# KiCad board meepolab pcb.kicad_pcb (continued)
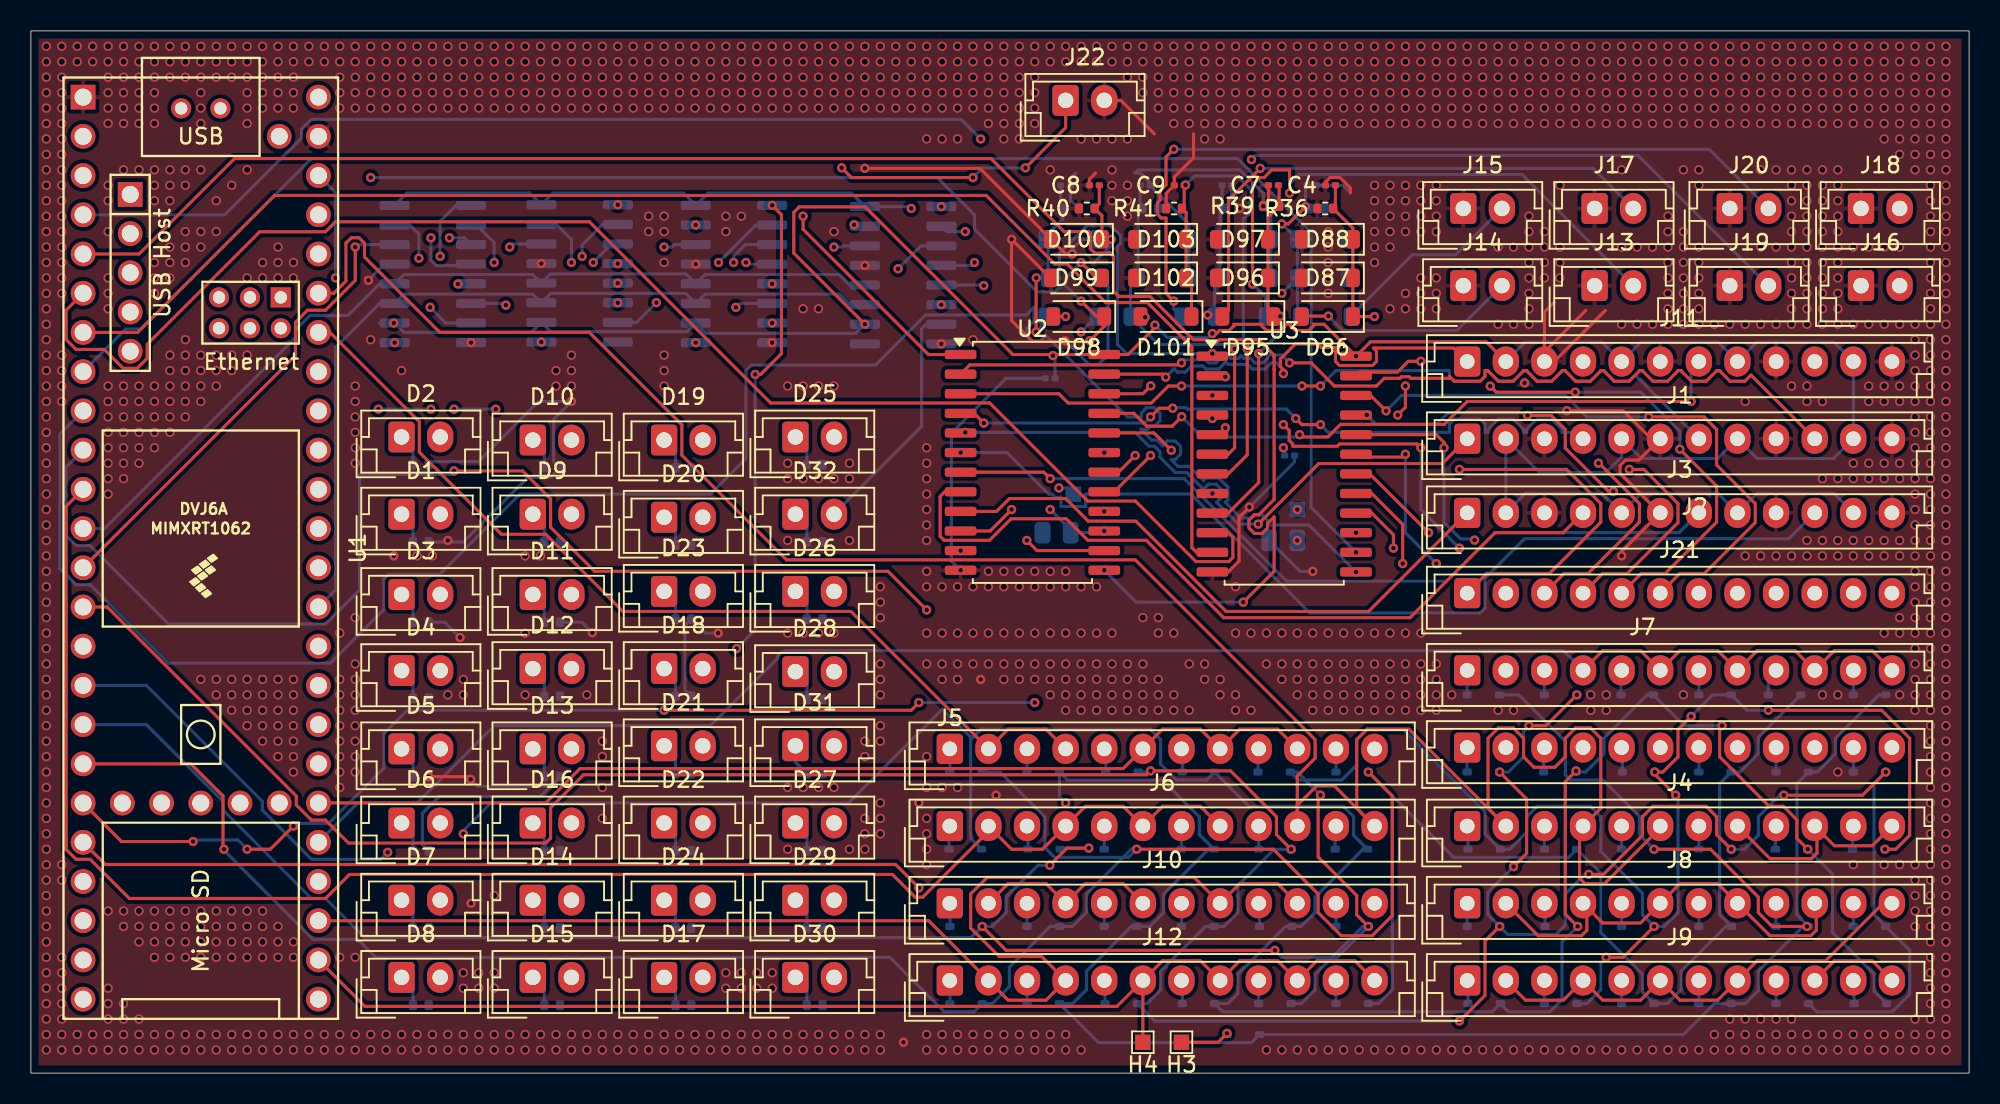
[diagram p0: board, top side]
## Via types
v1: diameter 0.6, hole 0.3, Top to Bottom, 232 vias
v2: diameter 0.6, hole 0.4, Top to Bottom, 1742 vias

## Routing (per net, layer and track width the routed paths; a pad name or vN(x,y) marks a point on that pad's centre or on a via; arc(x,y) is an arc through that point)
+3V3: length 213.5
  Top w0.2: v1(88.5,42.62) 89,43.12 v1(89,44.5) ; J11.2 94.22,47.36 86.73,47.36 v1(85.8,46.43) 83.73,48.5 83.05,48.5 83.05,48.4 82.75,48.1 81.85,48.1 81.55,48.4 81.55,48.5 81.2,48.5 81.2,48.4 80.9,48.1 80,48.1 79.7,48.4 79.7,48.5 77.9,48.5 77.9,48.4 77.6,48.1 76.97,48.1 76.77,47.9 v1(76.5,47.9) ; v1(72.78,48.44) 72.78,48.28 71.04,46.54 U2.24 66.25,46.54 v1(66.18,46.47) 66.11,46.54 63.58,46.54 54.02,56.1 49.75,56.1 49.4,55.75 49.4,53.1 v1(54,48.5)
  In2.Cu w0.2: v1(81.1,40.5) 81.1,40.5 86.38,40.5 v1(88.5,42.62) ; v1(89,44.5) 87.07,46.43 v1(85.8,46.43) ; v1(23.5,48.58) 22.64,48.58 v1(19.72,51.5)
  Bottom w0.2: J3.11 116.72,37.56 111.78,37.56 J3.8 109.22,37.56 104.28,37.56 J3.5 101.72,37.56 96.78,37.56 J3.2 J1.2 97.69,38.9 101.99,38.9 103,39.91 J1.5 104.28,39.81 109.22,39.81 J1.8 111.78,39.81 116.72,39.81 J1.11 J11.11 116.72,47.36 111.78,47.36 J11.8 109.22,47.36 104.28,47.36 J11.5 101.72,47.36 96.78,47.36 J11.2 ; U1.46 19.72,57.03 v1(19.72,51.5) 19.72,51.43 ; 22.58,48.58 v1(23.5,48.58) U4.10 24.15,47.98 32.41,47.98 U5.10 33.65,48.02 42.49,48.02 U6.10 43.72,47.91 53.41,47.91 v1(54,48.5) ; C2.1 81.18,40.42 81.1,40.5 v1(81.1,40.5) ; v1(66.18,46.47) 66.32,46.33 C1.1 ; v1(76.5,47.9) 76.23,47.63 73.59,47.63 v1(72.78,48.44)
GND: length 226
  Top w0.2: J11.3 98,49.29 98.62,49.91 ; J11.3 98,46.72 100.68,49.4 ; J11.3 98.64,46.09 101.95,49.4 ; v1(66.98,47.43) 66.95,47.4 64.84,47.4 63.5,48.74 v1(63.5,54) 66,51.5 D99.2 ; v1(99.45,42.9) 103.1,42.9 104.91,41.09 J1.6 104.12,39.7 103.25,39.7 102.9,39.35 102.9,38.85 105.47,36.28 J3.6 103,33.78 v1(103,33.5) ; 72.74,60.83 70.57,63 J22.2 ; v1(79.8,56.15) 80.13,56.48 C7.2 ; R41.2 73.51,56.98 C9.2 74.03,58.03 75.28,59.28 75.28,60.83 ; 68.93,58.29 68.54,57.9 C8.2 ; 83.82,57.5 83.82,57.7 84.13,58 84.76,58 85.44,57.32 85.44,57.02 ; v1(67.43,53.07) 66.98,53.07 D100.2 61.45,58.6 v1(54,58.6) ; U3.12 77.52,32.46 78.23,33.16 78.23,35.99 v1(78.9,36.66) ; v1(28.48,19.02) 28.3,19.2 v1(25.76,19.2)
  In2.Cu w0.2: v1(79.8,56.15) 78.41,56.15 v1(78.26,56) ; 109.57,43.05 109.42,42.9 107.31,42.9 J1.6 J11.6 ; J11.3 98,45.98 v1(96.72,44.7)
  Bottom w0.2: R13.2 35.68,29.2 v1(36.35,28.52) ; v1(60.2,32.57) 59.6,33.17 59.6,41.45 63.15,45 C1.2 ; R4.2 25.96,39.6 28.96,39.6 32.86,43.5 v1(35,43.5) 33.85,42.35 33.85,39.61 R12.2 33.64,38.58 32.18,38.58 28,34.4 R3.2 ; v1(44.5,28.5) 43.66,28.5 R25.2 42.35,28.99 42.35,24.81 R20.2 ; v1(67.43,53.07) 67.43,53.37 68.07,54 D94.2 ; 67.66,58.29 67.31,57.94 C6.2 67.31,56.52 R38.2 ; v1(78.9,36.66) 81.82,39.59 C2.2 ; 85.44,57.02 84.96,57.5 C5.2 ; D93.2 69.75,50.9 69.75,46.52 69.1,45.87 68.53,45.87 v1(66.98,47.43) ; C10.2 72.47,57.66 71.84,58.29 71.47,58.29 71.68,58.5 78.28,58.5 79.8,56.98 v1(79.8,56.15) 80.3,55.65 D85.2 D84.2 ; C10.2 72.99,56.98 R42.2 ; C10.2 75,54.97 D106.2 D105.2 ; R2.1 82.18,32.5 v1(83,32.5) ; v1(21.85,51.35) 22.89,52.39 U4.13 ; v1(27.79,28.21) 26.8,29.2 R5.2 ; v1(78.26,56) 77.76,56.5 C3.2 77.76,56.52 R35.2 ; v1(28.48,19.02) 28.92,18.58 33.64,18.58 R15.2 32.96,17.9 26.42,17.9 25.35,16.83 25.35,14.81 R8.2
  vias: v1(23.5,33.5) v1(27,34.5) v1(28.5,47.31) v1(28.5,11) v1(33.05,52.43) v1(43.05,52.39) v1(48,47.31) v1(54,52.31) v1(56.5,2) v1(57.5,17.5) v1(58.95,47.23) v1(61.5,25.5) v1(62.5,18) v2(1,66.5) v2(1,65.5) v2(1,64.5) v2(1,63.5) v2(1,62.5) v2(1,61.5) v2(1,60.5) v2(1,59.5) v2(1,58.5) v2(1,57.5) v2(1,56.5) v2(1,55.5) v2(1,54.5) v2(1,53.5) v2(1,52.5) v2(1,51.5) v2(1,50.5) v2(1,49.5) v2(1,48.5) v2(1,47.5) v2(1,46.5) v2(1,45.5) v2(1,44.5) v2(1,43.5) v2(1,42.5) v2(1,41.5) v2(1,40.5) v2(1,39.5) v2(1,38.5) v2(1,37.5) v2(1,36.5) v2(1,35.5) v2(1,34.5) v2(1,33.5) v2(1,32.5) v2(1,31.5) v2(1,30.5) v2(1,29.5) v2(1,28.5) v2(1,27.5) v2(1,26.5) v2(1,25.5) v2(1,24.5) v2(1,23.5) v2(1,22.5) v2(1,21.5) v2(1,20.5) v2(1,19.5) v2(1,18.5) v2(1,17.5) v2(1,16.5) v2(1,15.5) v2(1,14.5) v2(1,13.5) v2(1,12.5) v2(1,11.5) v2(1,10.5) v2(1,9.5) v2(1,8.5) v2(1,7.5) v2(1,6.5) v2(1,5.5) v2(1,4.5) v2(1,3.5) v2(1,2.5) v2(1,1.5) v2(2,66.5) v2(2,65.5) v2(2,64.5) v2(2,63.5) v2(2,62.5) v2(2,61.5) v2(2,60.5) v2(2,59.5) v2(2,58.5) v2(2,57.5) v2(2,56.5) v2(2,55.5) v2(2,54.5) v2(2,53.5) v2(2,52.5) v2(2,51.5) v2(2,50.5) v2(2,46.5) v2(2,45.5) v2(2,44.5) v2(2,43.5) v2(2,13.5) v2(2,12.5) v2(2,7.5) v2(2,6.5) v2(2,5.5) v2(2,4.5) v2(2,3.5) v2(2,2.5) v2(2,1.5) v2(3,66.5) v2(3,65.5) v2(3,2.5) v2(3,1.5) v2(4,66.5) v2(4,65.5) v2(4,2.5) v2(4,1.5) v2(5,66.5) v2(5,65.5) v2(5,64.5) v2(5,63.5) v2(5,62.5) v2(5,61.5) v2(5,57.5) v2(5,56.5) v2(5,54.5) v2(5,51.5) v2(5,50.5) v2(5,49.5) v2(5,44.5) v2(5,43.5) v2(5,42.5) v2(5,41.5) v2(5,40.5) v2(5,39.5) v2(5,38.5) v2(5,37.5) v2(5,10.5) v2(5,5.5) v2(5,4.5) v2(5,3.5) v2(5,2.5) v2(5,1.5) v2(6,66.5) v2(6,65.5) v2(6,64.5) v2(6,63.5) v2(6,62.5) v2(6,61.5) v2(6,58.5) v2(6,44.5) v2(6,43.5) v2(6,42.5) v2(6,41.5) v2(6,40.5) v2(6,39.5) v2(6,38.5) v2(6,10.5) v2(6,9.5) v2(6,4.5) v2(6,3.5) v2(6,2.5) v2(6,1.5) v2(7,66.5) v2(7,65.5) v2(7,64.5) v2(7,63.5) v2(7,62.5) v2(7,61.5) v2(7,58.5) v2(7,44.5) v2(7,43.5) v2(7,42.5) v2(7,41.5) v2(7,40.5) v2(7,39.5) v2(7,10.5) v2(7,9.5) v2(7,8.5) v2(7,3.5) v2(7,2.5) v2(7,1.5) v2(8,66.5) v2(8,65.5) v2(8,64.5) v2(8,63.5) v2(8,62.5) v2(8,61.5) v2(8,58.5) v2(8,57.5) v2(8,56.5) v2(8,52.5) v2(8,51.5) v2(8,50.5) v2(8,44.5) v2(8,43.5) v2(8,42.5) v2(8,41.5) v2(8,40.5) v2(8,10.5) v2(8,9.5) v2(8,8.5) v2(8,7.5) v2(8,2.5) v2(8,1.5) v2(9,66.5) v2(9,65.5) v2(9,64.5) v2(9,58.5) v2(9,57.5) v2(9,56.5) v2(9,53.5) v2(9,52.5) v2(9,51.5) v2(9,46.5) v2(9,45.5) v2(9,44.5) v2(9,43.5) v2(9,42.5) v2(9,41.5) v2(9,10.5) v2(9,9.5) v2(9,8.5) v2(9,7.5) v2(9,2.5) v2(9,1.5) v2(10,66.5) v2(10,65.5) v2(10,64.5) v2(10,58.5) v2(10,57.5) v2(10,54.5) v2(10,53.5) v2(10,52.5) v2(10,47.5) v2(10,46.5) v2(10,45.5) v2(10,44.5) v2(10,43.5) v2(10,42.5) v2(10,10.5) v2(10,9.5) v2(10,8.5) v2(10,7.5) v2(10,2.5) v2(10,1.5) v2(11,66.5) v2(11,65.5) v2(11,64.5) v2(11,63.5) v2(11,62.5) v2(11,61.5) v2(11,58.5) v2(11,54.5) v2(11,53.5) v2(11,46.5) v2(11,45.5) v2(11,44.5) v2(11,43.5) v2(11,25.5) v2(11,10.5) v2(11,9.5) v2(11,8.5) v2(11,7.5) v2(11,2.5) v2(11,1.5) v2(12,66.5) v2(12,65.5) v2(12,64.5) v2(12,56.5) v2(12,54.5) v2(12,46.5) v2(12,45.5) v2(12,44.5) v2(12,25.5) v2(12,24.5) v2(12,10.5) v2(12,9.5) v2(12,8.5) v2(12,7.5) v2(12,2.5) v2(12,1.5) v2(13,66.5) v2(13,65.5) v2(13,64.5) v2(13,57.5) v2(13,46.5) v2(13,45.5) v2(13,25.5) v2(13,24.5) v2(13,23.5) v2(13,10.5) v2(13,9.5) v2(13,8.5) v2(13,7.5) v2(13,2.5) v2(13,1.5) v2(14,66.5) v2(14,65.5) v2(14,64.5) v2(14,63.5) v2(14,62.5) v2(14,61.5) v2(14,58.5) v2(14,51.5) v2(14,46.5) v2(14,25.5) v2(14,24.5) v2(14,23.5) v2(14,22.5) v2(14,10.5) v2(14,9.5) v2(14,8.5) v2(14,7.5) v2(14,2.5) v2(14,1.5) v2(15,66.5) v2(15,65.5) v2(15,64.5) v2(15,63.5) v2(15,62.5) v2(15,52.5) v2(15,51.5) v2(15,25.5) v2(15,24.5) v2(15,23.5) v2(15,22.5) v2(15,21.5) v2(15,10.5) v2(15,9.5) v2(15,8.5) v2(15,7.5) v2(15,2.5) v2(15,1.5) v2(16,66.5) v2(16,65.5) v2(16,64.5) v2(16,63.5) v2(16,62.5) v2(16,53.5) v2(16,52.5) v2(16,51.5) v2(16,25.5) v2(16,24.5) v2(16,23.5) v2(16,22.5) v2(16,21.5) v2(16,20.5) v2(16,9.5) v2(16,8.5) v2(16,7.5) v2(16,2.5) v2(16,1.5) v2(17,66.5) v2(17,65.5) v2(17,64.5) v2(17,63.5) v2(17,62.5) v2(17,52.5) v2(17,51.5) v2(17,25.5) v2(17,24.5) v2(17,23.5) v2(17,22.5) v2(17,21.5) v2(17,20.5) v2(17,19.5) v2(17,8.5) v2(17,7.5) v2(17,2.5) v2(17,1.5) v2(18,66.5) v2(18,65.5) v2(18,2.5) v2(18,1.5) v2(19,66.5) v2(19,65.5) v2(19,2.5) v2(19,1.5) v2(20,66.5) v2(20,65.5) v2(20,64.5) v2(20,63.5) v2(20,62.5) v2(20,28.5) v2(20,25.5) v2(20,24.5) v2(20,23.5) v2(20,22.5) v2(20,21.5) v2(20,20.5) v2(20,19.5) v2(20,18.5) v2(20,7.5) v2(20,2.5) v2(20,1.5) v2(21,66.5) v2(21,65.5) v2(21,64.5) v2(21,63.5) v2(21,62.5) v2(21,44.5) v2(21,43.5) v2(21,42.5) v2(21,41.5) v2(21,40.5) v2(21,39.5) v2(21,29.5) v2(21,26.5) v2(21,25.5) v2(21,24.5) v2(21,23.5) v2(21,22.5) v2(21,21.5) v2(21,20.5) v2(21,19.5) v2(21,7.5) v2(21,2.5) v2(21,1.5) v2(22,66.5) v2(22,65.5) v2(22,64.5) v2(22,63.5) v2(22,62.5) v2(22,47.5) v2(22,2.5) v2(22,1.5) v2(23,66.5) v2(23,65.5) v2(23,64.5) v2(23,63.5) v2(23,62.5) v2(23,2.5) v2(23,1.5) v2(24,66.5) v2(24,65.5) v2(24,64.5) v2(24,63.5) v2(24,62.5) v2(24,45.5) v2(24,2.5) v2(24,1.5) v2(25,66.5) v2(25,65.5) v2(25,64.5) v2(25,63.5) v2(25,62.5) v2(25,33.5) v2(25,2.5) v2(25,1.5) v2(26,66.5) v2(26,65.5) v2(26,64.5) v2(26,63.5) v2(26,62.5) v2(26,33.5) v2(26,2.5) v2(26,1.5) v2(27,66.5) v2(27,65.5) v2(27,64.5) v2(27,63.5) v2(27,62.5) v2(27,24.5) v2(27,2.5) v2(27,1.5) v2(28,66.5) v2(28,65.5) v2(28,64.5) v2(28,63.5) v2(28,62.5) v2(28,25.5) v2(28,24.5) v2(28,6.5) v2(28,5.5) v2(28,2.5) v2(28,1.5) v2(29,66.5) v2(29,65.5) v2(29,64.5) v2(29,63.5) v2(29,62.5) v2(29,6.5) v2(29,5.5) v2(29,2.5) v2(29,1.5) v2(30,66.5) v2(30,65.5) v2(30,64.5) v2(30,63.5) v2(30,62.5) v2(30,11.5) v2(30,6.5) v2(30,5.5) v2(30,2.5) v2(30,1.5) v2(31,66.5) v2(31,65.5) v2(31,64.5) v2(31,63.5) v2(31,62.5) v2(31,2.5) v2(31,1.5) v2(32,66.5) v2(32,65.5) v2(32,64.5) v2(32,63.5) v2(32,62.5) v2(32,33.5) v2(32,28.5) v2(32,24.5) v2(32,2.5) v2(32,1.5) v2(33,66.5) v2(33,65.5) v2(33,64.5) v2(33,63.5) v2(33,62.5) v2(33,33.5) v2(33,2.5) v2(33,1.5) v2(34,66.5) v2(34,65.5) v2(34,64.5) v2(34,63.5) v2(34,62.5) v2(34,45.5) v2(34,44.5) v2(34,2.5) v2(34,1.5) v2(35,66.5) v2(35,65.5) v2(35,64.5) v2(35,63.5) v2(35,62.5) v2(35,46.5) v2(35,45.5) v2(35,44.5) v2(35,2.5) v2(35,1.5) v2(36,66.5) v2(36,65.5) v2(36,64.5) v2(36,63.5) v2(36,62.5) v2(36,24.5) v2(36,2.5) v2(36,1.5) v2(37,66.5) v2(37,65.5) v2(37,64.5) v2(37,63.5) v2(37,62.5) v2(37,21.5) v2(37,20.5) v2(37,18.5) v2(37,16.5) v2(37,2.5) v2(37,1.5) v2(38,66.5) v2(38,65.5) v2(38,64.5) v2(38,63.5) v2(38,62.5) v2(38,2.5) v2(38,1.5) v2(39,66.5) v2(39,65.5) v2(39,64.5) v2(39,63.5) v2(39,62.5) v2(39,2.5) v2(39,1.5) v2(40,66.5) v2(40,65.5) v2(40,64.5) v2(40,63.5) v2(40,62.5) v2(40,55.5) v2(40,54.5) v2(40,2.5) v2(40,1.5) v2(41,66.5) v2(41,65.5) v2(41,64.5) v2(41,63.5) v2(41,62.5) v2(41,55.5) v2(41,54.5) v2(41,52.5) v2(41,46.5) v2(41,45.5) v2(41,44.5) v2(41,2.5) v2(41,1.5) v2(42,66.5) v2(42,65.5) v2(42,64.5) v2(42,63.5) v2(42,62.5) v2(42,2.5) v2(42,1.5) v2(43,66.5) v2(43,65.5) v2(43,64.5) v2(43,63.5) v2(43,62.5) v2(43,2.5) v2(43,1.5) v2(44,66.5) v2(44,65.5) v2(44,64.5) v2(44,63.5) v2(44,62.5) v2(44,2.5) v2(44,1.5) v2(45,66.5) v2(45,65.5) v2(45,64.5) v2(45,63.5) v2(45,62.5) v2(45,55.5) v2(45,54.5) v2(45,6.5) v2(45,5.5) v2(45,2.5) v2(45,1.5) v2(46,66.5) v2(46,65.5) v2(46,64.5) v2(46,63.5) v2(46,62.5) v2(46,55.5) v2(46,6.5) v2(46,5.5) v2(46,2.5) v2(46,1.5) v2(47,66.5) v2(47,65.5) v2(47,64.5) v2(47,63.5) v2(47,62.5) v2(47,6.5) v2(47,5.5) v2(47,2.5) v2(47,1.5) v2(48,66.5) v2(48,65.5) v2(48,64.5) v2(48,63.5) v2(48,62.5) v2(48,6.5) v2(48,5.5) v2(48,2.5) v2(48,1.5) v2(49,66.5) v2(49,65.5) v2(49,64.5) v2(49,63.5) v2(49,62.5) v2(49,44.5) v2(49,39.5) v2(49,38.5) v2(49,34.5) v2(49,28.5) v2(49,18.5) v2(49,14.5) v2(49,2.5) v2(49,1.5) v2(50,66.5) v2(50,65.5) v2(50,64.5) v2(50,63.5) v2(50,62.5) v2(50,49.5) v2(50,44.5) v2(50,38.5) v2(50,28.5) v2(50,18.5) v2(50,2.5) v2(50,1.5) v2(51,66.5) v2(51,65.5) v2(51,64.5) v2(51,63.5) v2(51,62.5) v2(51,49.5) v2(51,44.5) v2(51,38.5) v2(51,28.5) v2(51,18.5) v2(51,2.5) v2(51,1.5) v2(52,66.5) v2(52,65.5) v2(52,64.5) v2(52,63.5) v2(52,62.5) v2(52,54.5) v2(52,44.5) v2(52,38.5) v2(52,28.5) v2(52,18.5) v2(52,2.5) v2(52,1.5) v2(53,66.5) v2(53,65.5) v2(53,64.5) v2(53,63.5) v2(53,62.5) v2(53,39.5) v2(53,38.5) v2(53,34.5) v2(53,14.5) v2(53,2.5) v2(53,1.5) v2(54,66.5) v2(54,65.5) v2(54,64.5) v2(54,63.5) v2(54,62.5) v2(54,21.5) v2(54,20.5) v2(54,16.5) v2(54,15.5) v2(54,14.5) v2(54,2.5) v2(54,1.5) v2(55,66.5) v2(55,65.5) v2(55,64.5) v2(55,63.5) v2(55,62.5) v2(55,31.5) v2(55,30.5) v2(55,29.5) v2(55,26.5) v2(55,25.5) v2(55,24.5) v2(55,22.5) v2(55,21.5) v2(55,17.5) v2(55,16.5) v2(55,15.5) v2(55,2.5) v2(55,1.5) v2(56,66.5) v2(56,65.5) v2(56,64.5) v2(56,63.5) v2(56,62.5) v2(57,66.5) v2(57,65.5) v2(57,64.5) v2(57,63.5) v2(57,62.5) v2(58,66.5) v2(58,65.5) v2(58,64.5) v2(58,63.5) v2(58,62.5) v2(58,60.5) v2(58,40.5) v2(58,39.5) v2(58,38.5) v2(58,37.5) v2(58,36.5) v2(58,35.5) v2(58,34.5) v2(58,32.5) v2(58,31.5) v2(58,28.5) v2(58,26.5) v2(58,20.5) v2(58,18.5) v2(58,16.5) v2(58,15.5) v2(58,14.5) v2(58,13.5) v2(58,2.5) v2(58,1.5) v2(59,66.5) v2(59,65.5) v2(59,64.5) v2(59,63.5) v2(59,62.5) v2(59,60.5) v2(59,31.5) v2(59,28.5) v2(59,26.5) v2(59,25.5) v2(59,18.5) v2(59,2.5) v2(59,1.5) v2(60,66.5) v2(60,65.5) v2(60,64.5) v2(60,63.5) v2(60,62.5) v2(60,60.5) v2(60,31.5) v2(60,28.5) v2(60,26.5) v2(60,25.5) v2(60,18.5) v2(60,2.5) v2(60,1.5) v2(61,66.5) v2(61,65.5) v2(61,64.5) v2(61,63.5) v2(61,62.5) v2(61,47.5) v2(61,31.5) v2(61,28.5) v2(61,26.5) v2(61,2.5) v2(61,1.5) v2(62,66.5) v2(62,65.5) v2(62,64.5) v2(62,63.5) v2(62,62.5) v2(62,61.5) v2(62,32.5) v2(62,31.5) v2(62,28.5) v2(62,26.5) v2(62,2.5) v2(62,1.5) v2(63,66.5) v2(63,65.5) v2(63,64.5) v2(63,63.5) v2(63,62.5) v2(63,61.5) v2(63,60.5) v2(63,32.5) v2(63,31.5) v2(63,28.5) v2(63,26.5) v2(63,25.5) v2(63,2.5) v2(63,1.5) v2(64,66.5) v2(64,65.5) v2(64,64.5) v2(64,63.5) v2(64,62.5) v2(64,61.5) v2(64,60.5) v2(64,32.5) v2(64,31.5) v2(64,28.5) v2(64,26.5) v2(64,25.5) v2(64,2.5) v2(64,1.5) v2(65,66.5) v2(65,65.5) v2(65,64.5) v2(65,63.5) v2(65,62.5) v2(65,61.5) v2(65,32.5) v2(65,31.5) v2(65,28.5) v2(65,26.5) v2(65,25.5) v2(65,2.5) v2(65,1.5) v2(66,66.5) v2(66,65.5) v2(66,58.5) v2(66,32.5) v2(66,31.5) v2(66,28.5) v2(66,26.5) v2(66,25.5) v2(66,24.5) v2(66,2.5) v2(66,1.5) v2(67,66.5) v2(67,65.5) v2(67,32.5) v2(67,31.5) v2(67,28.5) v2(67,26.5) v2(67,25.5) v2(67,24.5) v2(67,23.5) v2(67,2.5) v2(67,1.5) v2(68,66.5) v2(68,65.5) v2(68,60.5) v2(68,31.5) v2(68,28.5) v2(68,26.5) v2(68,25.5) v2(68,24.5) v2(68,23.5) v2(68,1.5) v2(69,66.5) v2(69,65.5) v2(69,60.5) v2(69,31.5) v2(69,28.5) v2(69,26.5) v2(69,25.5) v2(69,24.5) v2(69,23.5) v2(70,66.5) v2(70,65.5) v2(70,60.5) v2(70,58.5) v2(70,57.5) v2(70,56.5) v2(70,28.5) v2(70,26.5) v2(70,25.5) v2(70,24.5) v2(70,23.5) v2(71,66.5) v2(71,65.5) v2(71,64.5) v2(71,60.5) v2(71,57.5) v2(71,56.5) v2(71,55.5) v2(71,26.5) v2(71,25.5) v2(71,24.5) v2(71,23.5) v2(72,66.5) v2(72,65.5) v2(72,64.5) v2(72,63.5) v2(72,29.5) v2(72,26.5) v2(72,25.5) v2(72,24.5) v2(72,23.5) v2(73,66.5) v2(73,65.5) v2(73,64.5) v2(73,63.5) v2(73,62.5) v2(73,29.5) v2(73,28.5) v2(73,25.5) v2(73,24.5) v2(73,23.5) v2(74,66.5) v2(74,65.5) v2(74,64.5) v2(74,63.5) v2(74,62.5) v2(74,61.5) v2(74,28.5) v2(74,24.5) v2(74,23.5) v2(75,66.5) v2(75,65.5) v2(75,64.5) v2(75,63.5) v2(75,62.5) v2(75,61.5) v2(75,26.5) v2(75,23.5) v2(76,66.5) v2(76,65.5) v2(76,64.5) v2(76,63.5) v2(76,62.5) v2(76,61.5) v2(76,60.5) v2(76,26.5) v2(76,25.5) v2(77,66.5) v2(77,65.5) v2(77,64.5) v2(77,63.5) v2(77,62.5) v2(77,61.5) v2(77,60.5) v2(77,25.5) v2(77,24.5) v2(78,66.5) v2(78,65.5) v2(78,64.5) v2(78,63.5) v2(78,62.5) v2(78,61.5) v2(78,31.5) v2(78,28.5) v2(78,24.5) v2(78,23.5) v2(79,66.5) v2(79,65.5) v2(79,64.5) v2(79,63.5) v2(79,62.5) v2(79,61.5) v2(79,28.5) v2(79,23.5) v2(80,66.5) v2(80,65.5) v2(80,64.5) v2(80,63.5) v2(80,62.5) v2(80,61.5) v2(80,28.5) v2(80,26.5) v2(80,1.5) v2(81,66.5) v2(81,65.5) v2(81,64.5) v2(81,63.5) v2(81,62.5) v2(81,61.5) v2(81,28.5) v2(81,26.5) v2(81,25.5) v2(81,1.5) v2(82,66.5) v2(82,65.5) v2(82,64.5) v2(82,63.5) v2(82,62.5) v2(82,61.5) v2(82,28.5) v2(82,26.5) v2(82,25.5) v2(82,24.5) v2(82,1.5) v2(83,66.5) v2(83,65.5) v2(83,64.5) v2(83,63.5) v2(83,62.5) v2(83,61.5) v2(83,28.5) v2(83,26.5) v2(83,25.5) v2(83,24.5) v2(83,23.5) v2(83,1.5) v2(84,66.5) v2(84,65.5) v2(84,64.5) v2(84,63.5) v2(84,62.5) v2(84,61.5) v2(84,54.5) v2(84,53.5) v2(84,52.5) v2(84,51.5) v2(84,50.5) v2(84,28.5) v2(84,26.5) v2(84,25.5) v2(84,24.5) v2(84,23.5) v2(84,1.5) v2(85,66.5) v2(85,65.5) v2(85,64.5) v2(85,63.5) v2(85,62.5) v2(85,61.5) v2(85,28.5) v2(85,26.5) v2(85,25.5) v2(85,24.5) v2(85,23.5) v2(85,1.5) v2(86,66.5) v2(86,65.5) v2(86,64.5) v2(86,63.5) v2(86,62.5) v2(86,61.5) v2(86,28.5) v2(86,26.5) v2(86,25.5) v2(86,24.5) v2(86,23.5) v2(86,1.5) v2(87,66.5) v2(87,65.5) v2(87,64.5) v2(87,63.5) v2(87,62.5) v2(87,61.5) v2(87,57.5) v2(87,56.5) v2(87,55.5) v2(87,54.5) v2(87,53.5) v2(87,52.5) v2(87,28.5) v2(87,26.5) v2(87,25.5) v2(87,24.5) v2(87,23.5) v2(87,1.5) v2(88,66.5) v2(88,65.5) v2(88,64.5) v2(88,63.5) v2(88,62.5) v2(88,61.5) v2(88,57.5) v2(88,56.5) v2(88,55.5) v2(88,54.5) v2(88,53.5) v2(88,49.5) v2(88,28.5) v2(88,26.5) v2(88,25.5) v2(88,24.5) v2(88,23.5) v2(88,1.5) v2(89,66.5) v2(89,65.5) v2(89,64.5) v2(89,63.5) v2(89,62.5) v2(89,61.5) v2(89,57.5) v2(89,56.5) v2(89,55.5) v2(89,54.5) v2(89,50.5) v2(89,49.5) v2(89,28.5) v2(89,26.5) v2(89,25.5) v2(89,24.5) v2(89,23.5) v2(89,1.5) v2(90,66.5) v2(90,65.5) v2(90,64.5) v2(90,63.5) v2(90,62.5) v2(90,61.5) v2(90,57.5) v2(90,56.5) v2(90,55.5) v2(90,54.5) v2(90,51.5) v2(90,50.5) v2(90,49.5) v2(90,28.5) v2(90,26.5) v2(90,25.5) v2(90,24.5) v2(90,23.5) v2(90,1.5) v2(91,66.5) v2(91,65.5) v2(91,64.5) v2(91,63.5) v2(91,62.5) v2(91,61.5) v2(91,57.5) v2(91,56.5) v2(91,55.5) v2(91,54.5) v2(91,51.5) v2(91,50.5) v2(91,49.5) v2(91,26.5) v2(91,25.5) v2(91,24.5) v2(91,23.5) v2(91,1.5) v2(92,66.5) v2(92,65.5) v2(92,64.5) v2(92,63.5) v2(92,62.5) v2(92,61.5) v2(92,24.5) v2(92,1.5) v2(93,66.5) v2(93,65.5) v2(93,64.5) v2(93,63.5) v2(93,62.5) v2(93,61.5) v2(93,1.5) v2(94,66.5) v2(94,65.5) v2(94,64.5) v2(94,63.5) v2(94,62.5) v2(94,61.5) v2(94,1.5) v2(95,66.5) v2(95,65.5) v2(95,64.5) v2(95,63.5) v2(95,62.5) v2(95,61.5) v2(95,53.5) v2(95,48.5) v2(95,23.5) v2(95,1.5) v2(96,66.5) v2(96,65.5) v2(96,64.5) v2(96,63.5) v2(96,62.5) v2(96,61.5) v2(96,53.5) v2(96,48.5) v2(96,23.5) v2(96,1.5) v2(97,66.5) v2(97,65.5) v2(97,64.5) v2(97,63.5) v2(97,62.5) v2(97,61.5) v2(97,55.5) v2(97,54.5) v2(97,53.5) v2(97,52.5) v2(97,51.5) v2(97,50.5) v2(97,49.5) v2(97,48.5) v2(97,1.5) v2(98,66.5) v2(98,65.5) v2(98,64.5) v2(98,63.5) v2(98,62.5) v2(98,61.5) v2(98,54.5) v2(98,53.5) v2(98,52.5) v2(98,51.5) v2(98,1.5) v2(99,66.5) v2(99,65.5) v2(99,64.5) v2(99,63.5) v2(99,62.5) v2(99,61.5) v2(99,57.5) v2(99,53.5) v2(99,52.5) v2(99,51.5) v2(99,1.5) v2(100,66.5) v2(100,65.5) v2(100,64.5) v2(100,63.5) v2(100,62.5) v2(100,61.5) v2(100,1.5) v2(101,66.5) v2(101,65.5) v2(101,64.5) v2(101,63.5) v2(101,62.5) v2(101,61.5) v2(101,24.5) v2(101,23.5) v2(101,1.5) v2(102,66.5) v2(102,65.5) v2(102,64.5) v2(102,63.5) v2(102,62.5) v2(102,61.5) v2(102,24.5) v2(102,23.5) v2(102,1.5) v2(103,66.5) v2(103,65.5) v2(103,64.5) v2(103,63.5) v2(103,62.5) v2(103,61.5) v2(103,58.5) v2(103,53.5) v2(103,48.5) v2(103,1.5) v2(104,66.5) v2(104,65.5) v2(104,64.5) v2(104,63.5) v2(104,62.5) v2(104,61.5) v2(104,53.5) v2(104,48.5) v2(104,1.5) v2(105,66.5) v2(105,65.5) v2(105,64.5) v2(105,63.5) v2(105,62.5) v2(105,61.5) v2(105,53.5) v2(105,48.5) v2(105,1.5) v2(106,66.5) v2(106,65.5) v2(106,64.5) v2(106,63.5) v2(106,62.5) v2(106,61.5) v2(106,55.5) v2(106,54.5) v2(106,53.5) v2(106,52.5) v2(106,51.5) v2(106,50.5) v2(106,49.5) v2(106,48.5) v2(106,1.5) v2(107,66.5) v2(107,65.5) v2(107,64.5) v2(107,63.5) v2(107,62.5) v2(107,61.5) v2(107,58.5) v2(107,54.5) v2(107,53.5) v2(107,52.5) v2(107,51.5) v2(107,50.5) v2(107,49.5) v2(107,48.5) v2(107,24.5) v2(107,1.5) v2(108,66.5) v2(108,65.5) v2(108,64.5) v2(108,63.5) v2(108,62.5) v2(108,61.5) v2(108,58.5) v2(108,57.5) v2(108,53.5) v2(108,52.5) v2(108,51.5) v2(108,50.5) v2(108,49.5) v2(108,48.5) v2(108,1.5) v2(109,66.5) v2(109,65.5) v2(109,64.5) v2(109,63.5) v2(109,62.5) v2(109,61.5) v2(109,48.5) v2(109,2.5) v2(109,1.5) v2(110,66.5) v2(110,65.5) v2(110,64.5) v2(110,63.5) v2(110,62.5) v2(110,61.5) v2(110,48.5) v2(110,3.5) v2(110,2.5) v2(110,1.5) v2(111,66.5) v2(111,65.5) v2(111,64.5) v2(111,63.5) v2(111,62.5) v2(111,61.5) v2(111,48.5) v2(111,43.5) v2(111,33.5) v2(111,3.5) v2(111,2.5) v2(111,1.5) v2(112,66.5) v2(112,65.5) v2(112,64.5) v2(112,63.5) v2(112,62.5) v2(112,61.5) v2(112,58.5) v2(112,53.5) v2(112,48.5) v2(112,33.5) v2(112,3.5) v2(112,2.5) v2(112,1.5) v2(113,66.5) v2(113,65.5) v2(113,64.5) v2(113,63.5) v2(113,62.5) v2(113,61.5) v2(113,58.5) v2(113,53.5) v2(113,48.5) v2(113,33.5) v2(113,3.5) v2(113,2.5) v2(113,1.5) v2(114,66.5) v2(114,65.5) v2(114,64.5) v2(114,63.5) v2(114,62.5) v2(114,61.5) v2(114,58.5) v2(114,57.5) v2(114,56.5) v2(114,55.5) v2(114,54.5) v2(114,53.5) v2(114,52.5) v2(114,51.5) v2(114,50.5) v2(114,49.5) v2(114,48.5) v2(114,44.5) v2(114,33.5) v2(114,3.5) v2(114,2.5) v2(114,1.5) v2(115,66.5) v2(115,65.5) v2(115,64.5) v2(115,63.5) v2(115,62.5) v2(115,61.5) v2(115,58.5) v2(115,57.5) v2(115,56.5) v2(115,55.5) v2(115,54.5) v2(115,53.5) v2(115,52.5) v2(115,51.5) v2(115,50.5) v2(115,49.5) v2(115,48.5) v2(115,44.5) v2(115,43.5) v2(115,34.5) v2(115,33.5) v2(115,2.5) v2(115,1.5) v2(116,66.5) v2(116,65.5) v2(116,64.5) v2(116,63.5) v2(116,62.5) v2(116,61.5) v2(116,58.5) v2(116,57.5) v2(116,56.5) v2(116,55.5) v2(116,54.5) v2(116,53.5) v2(116,52.5) v2(116,51.5) v2(116,50.5) v2(116,49.5) v2(116,48.5) v2(116,43.5) v2(116,38.5) v2(116,34.5) v2(116,33.5) v2(116,24.5) v2(116,2.5) v2(116,1.5) v2(117,66.5) v2(117,65.5) v2(117,64.5) v2(117,63.5) v2(117,62.5) v2(117,61.5) v2(117,58.5) v2(117,57.5) v2(117,56.5) v2(117,55.5) v2(117,54.5) v2(117,53.5) v2(117,52.5) v2(117,51.5) v2(117,50.5) v2(117,49.5) v2(117,48.5) v2(117,38.5) v2(117,34.5) v2(117,33.5) v2(117,24.5) v2(117,19.5) v2(117,2.5) v2(117,1.5) v2(118,66.5) v2(118,65.5) v2(118,64.5) v2(118,63.5) v2(118,62.5) v2(118,61.5) v2(118,53.5) v2(118,48.5) v2(118,39.5) v2(118,38.5) v2(118,34.5) v2(118,33.5) v2(118,13.5) v2(118,2.5) v2(118,1.5) v2(119,66.5) v2(119,65.5) v2(119,64.5) v2(119,63.5) v2(119,62.5) v2(119,61.5) v2(119,53.5) v2(119,48.5) v2(119,44.5) v2(119,43.5) v2(119,39.5) v2(119,38.5) v2(119,34.5) v2(119,33.5) v2(119,2.5) v2(119,1.5) v2(120,66.5) v2(120,65.5) v2(120,64.5) v2(120,63.5) v2(120,62.5) v2(120,61.5) v2(120,60.5) v2(120,53.5) v2(120,48.5) v2(120,44.5) v2(120,43.5) v2(120,39.5) v2(120,38.5) v2(120,34.5) v2(120,33.5) v2(120,28.5) v2(120,13.5) v2(120,2.5) v2(120,1.5) v2(121,66.5) v2(121,65.5) v2(121,64.5) v2(121,63.5) v2(121,62.5) v2(121,61.5) v2(121,60.5) v2(121,59.5) v2(121,53.5) v2(121,48.5) v2(121,44.5) v2(121,43.5) v2(121,39.5) v2(121,38.5) v2(121,34.5) v2(121,33.5) v2(121,29.5) v2(121,28.5) v2(121,24.5) v2(121,13.5) v2(121,2.5) v2(121,1.5) v2(122,66.5) v2(122,65.5) v2(122,64.5) v2(122,63.5) v2(122,62.5) v2(122,61.5) v2(122,60.5) v2(122,59.5) v2(122,58.5) v2(122,48.5) v2(122,47.5) v2(122,46.5) v2(122,45.5) v2(122,44.5) v2(122,43.5) v2(122,42.5) v2(122,41.5) v2(122,40.5) v2(122,39.5) v2(122,38.5) v2(122,37.5) v2(122,36.5) v2(122,35.5) v2(122,34.5) v2(122,33.5) v2(122,32.5) v2(122,31.5) v2(122,30.5) v2(122,29.5) v2(122,28.5) v2(122,27.5) v2(122,26.5) v2(122,25.5) v2(122,24.5) v2(122,23.5) v2(122,13.5) v2(122,12.5) v2(122,11.5) v2(122,10.5) v2(122,9.5) v2(122,3.5) v2(122,2.5) v2(122,1.5) v2(123,66.5) v2(123,65.5) v2(123,64.5) v2(123,63.5) v2(123,62.5) v2(123,61.5) v2(123,60.5) v2(123,59.5) v2(123,58.5) v2(123,57.5) v2(123,56.5) v2(123,55.5) v2(123,54.5) v2(123,53.5) v2(123,52.5) v2(123,51.5) v2(123,50.5) v2(123,49.5) v2(123,48.5) v2(123,47.5) v2(123,46.5) v2(123,45.5) v2(123,44.5) v2(123,43.5) v2(123,42.5) v2(123,41.5) v2(123,40.5) v2(123,39.5) v2(123,38.5) v2(123,37.5) v2(123,36.5) v2(123,35.5) v2(123,34.5) v2(123,33.5) v2(123,32.5) v2(123,31.5) v2(123,30.5) v2(123,29.5) v2(123,28.5) v2(123,27.5) v2(123,26.5) v2(123,25.5) v2(123,24.5) v2(123,23.5) v2(123,22.5) v2(123,21.5) v2(123,20.5) v2(123,19.5) v2(123,18.5) v2(123,17.5) v2(123,16.5) v2(123,15.5) v2(123,14.5) v2(123,13.5) v2(123,12.5) v2(123,11.5) v2(123,10.5) v2(123,9.5) v2(123,8.5) v2(123,7.5) v2(123,6.5) v2(123,5.5) v2(123,4.5) v2(123,3.5) v2(123,2.5) v2(123,1.5) v2(124,66.5) v2(124,65.5) v2(124,64.5) v2(124,63.5) v2(124,62.5) v2(124,61.5) v2(124,60.5) v2(124,59.5) v2(124,58.5) v2(124,57.5) v2(124,56.5) v2(124,55.5) v2(124,54.5) v2(124,53.5) v2(124,52.5) v2(124,51.5) v2(124,50.5) v2(124,49.5) v2(124,48.5) v2(124,47.5) v2(124,46.5) v2(124,45.5) v2(124,44.5) v2(124,43.5) v2(124,42.5) v2(124,41.5) v2(124,40.5) v2(124,39.5) v2(124,38.5) v2(124,37.5) v2(124,36.5) v2(124,35.5) v2(124,34.5) v2(124,33.5) v2(124,32.5) v2(124,31.5) v2(124,30.5) v2(124,29.5) v2(124,28.5) v2(124,27.5) v2(124,26.5) v2(124,25.5) v2(124,24.5) v2(124,23.5) v2(124,22.5) v2(124,21.5) v2(124,20.5) v2(124,19.5) v2(124,18.5) v2(124,17.5) v2(124,16.5) v2(124,15.5) v2(124,14.5) v2(124,13.5) v2(124,12.5) v2(124,11.5) v2(124,10.5) v2(124,9.5) v2(124,8.5) v2(124,7.5) v2(124,6.5) v2(124,5.5) v2(124,4.5) v2(124,3.5) v2(124,2.5) v2(124,1.5)
A8: length 77.9
  Top w0.2: v1(76.5,46.6) U3.1
  In2.Cu w0.2: U1.44 17.52,54.15 17.52,56.05 18.16,56.69 19.08,56.69 20.39,58 v1(22,58)
  Bottom w0.2: v1(76.5,46.6) 70.95,46.6 70.35,47.2 70.35,53.55 70.55,53.75 70.55,54.25 69.9,54.9 68.4,54.9 66.6,53.1 66.6,50.9 66.3,50.6 65.15,50.6 61.1,54.65 61.1,55.59 58.69,58 v1(22,58)
A9: length 46.9
  Top w0.2: v1(50,55.5) 50,54.65 58.11,46.54 U2.1
  In2.Cu w0.2: U1.45 19.87,56.84 48.66,56.84 v1(50,55.5)
Col0: length 145.3
  Top w0.2: v1(27.4,39) 31.84,39 33.65,37.19 33.65,35.35 36.5,32.5 55.5,32.5 v1(58,30)
  In2.Cu w0.2: v1(58,30) 69.95,30 78.35,21.6 78.35,20.4 79.85,18.9 93.31,18.9 J2.2 96.78,19.81 99.22,19.81 J2.4 101.78,19.81 104.22,19.81 J2.6 106.78,19.81 109.22,19.81 J2.8 111.78,19.81 114.22,19.81 J2.10
  Bottom w0.2: U1.10 2.28,39.25 2.28,34.81 2.92,34.17 3.84,34.17 8.92,29.09 19.08,29.09 21.28,31.29 21.28,38.78 27.18,38.78 v1(27.4,39)
Col1: length 152.1
  Top w0.2: J6.8 75.72,17.28 73.28,17.28 J6.6 70.72,17.28 68.28,17.28 J6.4 65.5,14.5 63.5,14.5 J6.2 62,15.65 57.75,11.4 57.25,11.4 55.78,12.87 20.63,12.87 19.08,11.31 6.38,11.31 3.84,13.85 2.92,13.85 2.28,14.49 2.28,36.71 U1.11
  In2.Cu w0.2: J6.8 78.28,17.28 116.69,17.28 J2.12
Col2: length 149.4
  Top w0.2: U1.43 19.61,50.51 20.4,51.3 20.4,53.75 20.75,54.1 21.25,54.1 21.6,53.75 21.6,52.85 26.47,47.98 36.16,47.98 42.15,41.99 42.15,40.01 48.93,33.24 71.51,33.24 83.15,21.6 83.15,20.4 82,19.25 J6.10 82,17.35 83.25,18.6 84.4,18.6 J6.12 85.85,17.15 85.85,21.6 86.52,22.28 89.22,22.28 J4.2 94.35,17.15 94.35,21.69 95.02,22.36 95.98,22.36 96.65,21.69 96.65,20.48 97.33,19.81 98.67,19.81 99.35,20.48 99.35,21.69 100.02,22.36 100.98,22.36 101.65,21.69 101.65,17.15 J4.4 100.27,15.77 100.27,12.63 100.63,12.27 101.9,12.27 105.5,15.88 J4.6
Col3: length 124.1
  Top w0.2: J4.12 119.22,14.72 116.78,14.72 J4.10 115.65,15.85 115.65,14.25 115.3,13.9 112.6,13.9 J4.8 ; U1.42 19.37,47.97 25.15,42.19 25.15,40.21 30.47,34.9 33.34,34.9 38.34,29.9 53.1,29.9 J5.2 63.28,22.28 65.72,22.28 J5.4
  In2.Cu w0.2: J4.8 108.4,13.9 104.85,13.9 104.5,14.25 82.2,14.25 81.85,13.9 77.35,13.9 75.85,15.4 75.85,16.6 73.55,18.9 69.1,18.9 J5.4
Col4: length 83.6
  Top w0.2: J5.10 80.72,22.28 78.28,22.28 J5.8 75.72,22.28 73.28,22.28 J5.6 70.72,19.72 35.56,19.72 33.34,17.5 18.63,17.5 U1.30
  In2.Cu w0.2: J5.10 83.28,22.28 85.72,22.28 J5.12 90.41,21 J7.2
Col5: length 111.9
  Top w0.2: J7.4 101.78,27.36 104.22,27.36 J7.6 106.78,27.36 109.22,27.36 J7.8 111.78,27.36 114.22,27.36 J7.10 116.78,27.36 119.22,27.36 J7.12
  Bottom w0.2: U1.29 21.17,17.5 25,17.5 30,22.5 44,22.5 48.35,26.85 48.35,26.99 48.66,27.3 48.8,27.3 48.86,27.36 99.22,27.36 J7.4
Col6: length 122.1
  Top w0.2: J8.10 115.6,10.9 115.6,9.25 115.25,8.9 112.6,8.9 J8.8 109.22,12.28 106.78,12.28 J8.6 104.22,9.72 101.78,9.72 J8.4 100.75,10.75 100.75,9.25 100.4,8.9 97.6,8.9 J8.2 ; v1(57.5,12) 55.99,13.51 4.82,13.51 U1.20
  In2.Cu w0.2: v1(57.5,12) 57.78,12.28 94.22,12.28 J8.2
Col7: length 130.2
  Top w0.2: J8.12 119.93,11 116.21,7.28 111.78,7.28 J9.8 109.22,4.72 106.78,4.72 J9.6 104.22,4.72 101.78,4.72 J9.4 99.22,4.72 96.78,4.72 J9.2
  In2.Cu w0.2: J9.2 93.5,4 19.39,4 19.08,3.69 8.58,3.69 3.5,8.77 2.92,8.77 2.28,9.41 2.28,11.31 U1.21
Col8: length 127.3
  Top w0.2: J9.10 116.78,7.28 119.22,7.28 J9.12 ; J10.2 63.28,12.28 65.72,12.28 J10.4 68.28,12.28 70.72,12.28 J10.6
  In2.Cu w0.2: J10.2 55.5,4.5 23.57,4.5 22.17,5.89 7.36,5.89 U1.22 ; J9.10 112.6,8.9 74.1,8.9 J10.6
Col9: length 90.2
  Top w0.2: J10.10 80.72,12.28 78.28,12.28 J10.8 75.32,12.68 61.92,12.68 60.85,11.6 60.85,9.4 62.7,7.55 65.45,7.55 J12.4 65.72,4.72 63.28,4.72 J12.2 58.13,9.87 U1.27
  In2.Cu w0.2: J10.12 85.72,9.72 83.28,9.72 J10.10
Col10: length 77.5
  Top w0.2: J12.6 73.28,7.28 75.72,7.28 J12.8 78.28,7.28 80.72,7.28 J12.10 83.28,7.28 85.72,7.28 J12.12 ; J12.6 70.32,4.32 21.63,4.32 U1.26 ; J12.6 H4.1
Drum0: length 20.5
  In2.Cu w0.2: v1(69.5,40.19) 69.5,42.4 v1(76.2,49.1)
  Bottom w0.2: D83.1 76.65,51.15 D84.1 D85.1 77,55.73 R35.1 77.12,56.15 C3.1
Drum1: length 39.9
  Top w0.2: v1(71.5,40) 70.42,38.92 U2.18 ; C4.1 84.47,56.15 R36.1 85.6,54.72 D88.1 D87.1 D86.1 v1(87,49)
  In2.Cu w0.2: v1(71.5,40) 71.09,39.59 69.25,39.59 68.9,39.94 68.9,42.65 75.95,49.7 86.3,49.7 v1(87,49)
Drum2: length 38.6
  Top w0.2: U2.17 70.15,37.65 v1(72.5,40) ; v1(82.53,56.12) 81.41,55 v1(81,55)
  In2.Cu w0.2: v1(81,50.5) 76.18,50.5 68.5,42.81 68.5,39.77 69.08,39.19 71.69,39.19 v1(72.5,40)
  Bottom w0.2: v1(81,55) D91.1 D90.1 ; v1(82.53,56.12) 82.53,57.41 C5.1 ; D89.1 82,49.15 D90.1 ; D90.1 v1(81,50.5)
